# EAGLE board Mk4 Final Panel 8up 2x4 (EAGLE 9.0.1), part 16 of 23 (continued)
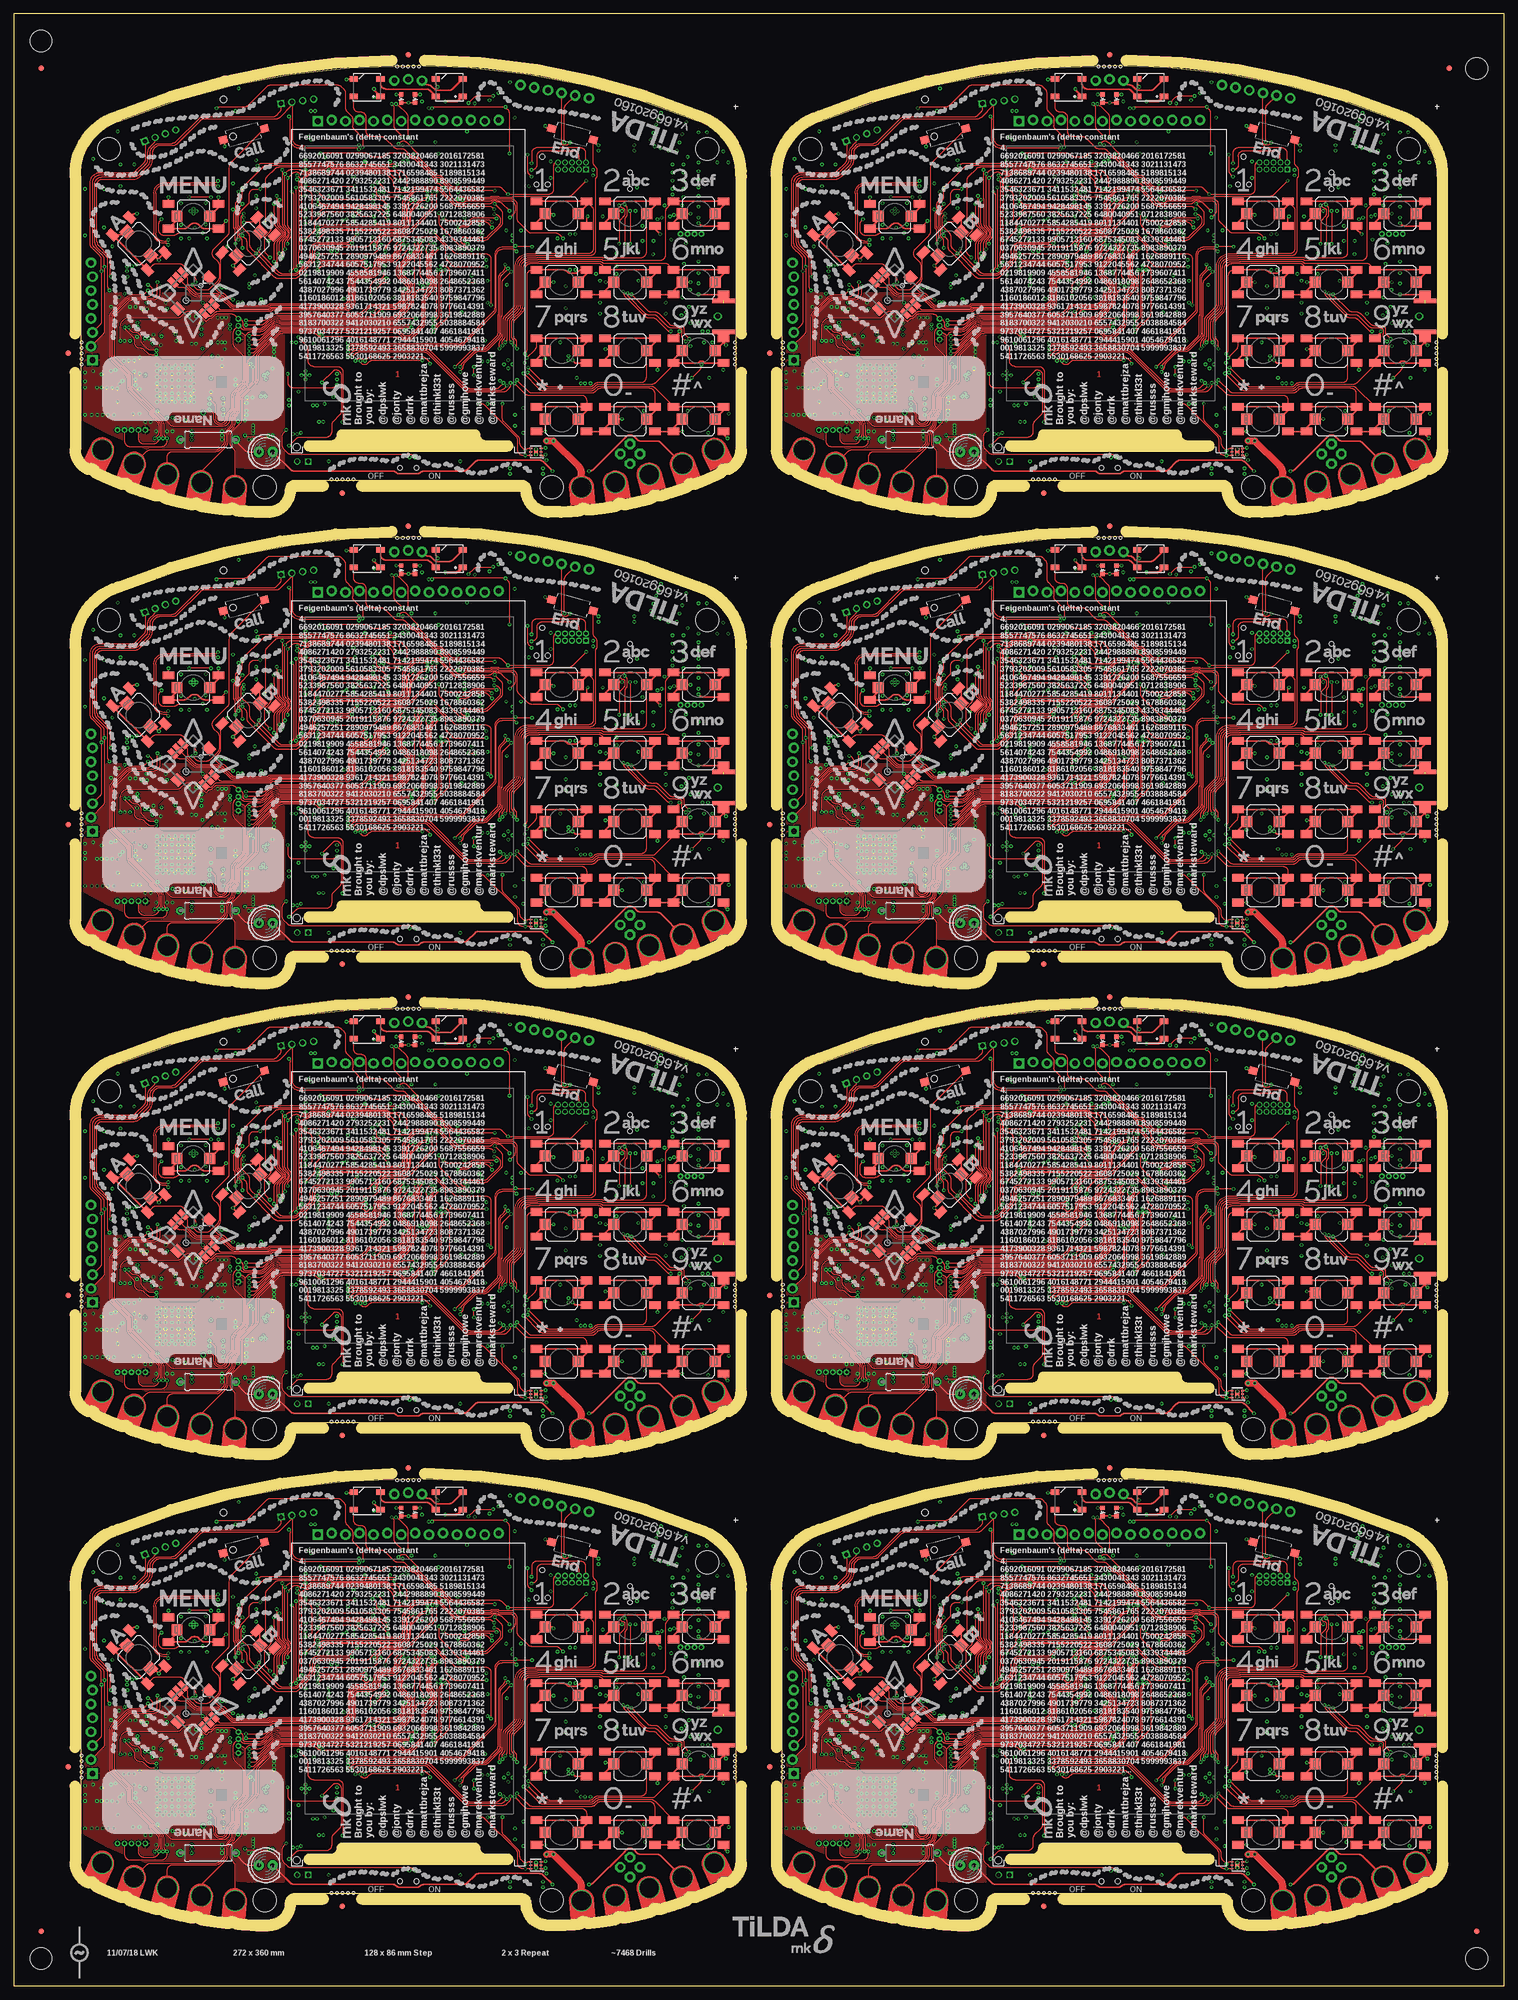
[diagram p0: board, top side]
## Tracks (layer width: path | path; a pad name or v marks a point on that pad's centre or on a via) (continued)
SDRAM_A15  (via drill 0.3)
  Top 0.15: v179.7,71.75 179.73,71.72 arc-45 180.03,71.01 180.03,58.4 179.97,58.35 179.97,56.02 v180,56 | v192.3,56 v192.29,56.01 arc45 191.59,56.3 184.21,56.3 arc45 v183.51,56.01 v183.5,56
  Bottom 0.15: v179.7,71.75 arc-45 180.06,71.9 IC19.5 | v183.5,56 183.08,56 arc45 182.94,55.94 182.9,55.9 IC19.25 181.85,55.9 181.81,55.94 arc45 181.67,56 v180,56 | IC20.31 194.2,55.85 arc-90 193.7,55.35 192.8,55.35 arc-90 192.3,55.85 v192.3,56 v192.3,55.99
SDRAM_A16  (via drill 0.3)
  Top 0.15: v179.5,70.25 179.47,70.22 179.47,55.27 v179.5,55.25 | v183.5,55.25 183.96,55.71 arc-45 184.66,56 191.14,56 arc-45 191.84,55.71 192.02,55.53 arc90 192.73,55.53 v193.2,56
  Bottom 0.15: v183.5,55.25 183,55.25 182.85,55.1 IC19.26 181.9,55.1 181.81,55.19 arc45 181.67,55.25 v179.5,55.25 | v193.2,56 193.3,56 arc90 193.8,56.5 IC20.32 | v179.5,70.25 179.52,70.25 179.57,70.2 180.61,70.2 arc-45 180.75,70.14 180.78,70.11 arc90 181.83,70.11 182.02,70.3 IC19.7
SDRAM_A17  (via drill 0.3)
  Top 0.15: v183.5,69.5 184.58,68.42 arc45 185.29,68.12 194.71,68.12 arc-45 195.42,67.83 v196.25,67 | v178.75,69.5 178.95,69.3 arc-45 179.1,68.94 179.1,55.76 arc-45 178.95,55.4 v178.55,55
  Bottom 0.15: IC20.22 197.8,65.04 arc45 197.51,65.74 v196.25,67 | v178.75,69.5 IC19.8 v183.5,69.5 | IC19.29 171.59,55.1 arc-45 171.69,55.06 arc45 171.83,55 v178.55,55
SDRAM_A18  (via drill 0.3)
  Top 0.15: v176,68.75 175.97,68.72 175.97,67.58 arc45 176.02,67.48 arc-45 176.07,67.34 176.07,63.8 arc45 176.37,63.09 177.24,62.23 arc-90 177.24,61.52 176.27,60.55 arc45 175.97,59.85 175.97,57.4 176.03,57.35 176.03,56.02 v176,56 | v196.25,66 195.54,66.71 arc45 194.84,67 191.67,67 arc-45 191.53,67.06 191.53,67.07 arc45 191.38,67.12 184.79,67.12 arc-45 184.08,67.42 v183.5,68
  Bottom 0.15: v196.25,66 197.11,65.14 arc-45 197.4,64.44 IC20.23 | v176,68.75 176.09,68.75 arc-45 176.79,68.46 176.96,68.29 arc45 177.66,68 181.42,68 arc-45 181.56,67.94 arc45 181.66,67.9 IC19.10 182.82,67.9 arc45 182.96,67.96 arc-45 183.06,68 v183.5,68 | IC19.30 171.59,55.9 arc45 171.69,55.94 arc-45 171.83,56 v176,56
SDRAM_A19  (via drill 0.3)
  Top 0.15: v175.5,67.25 175.5,65.74 175.53,65.72 175.53,63.93 arc45 175.82,63.22 176.99,62.05 arc-90 176.99,61.7 175.79,60.5 arc45 175.5,59.8 v175.5,56.75 | v196.25,65.25 195.09,66.41 arc45 194.39,66.7 191.55,66.7 arc-45 191.41,66.76 191.4,66.77 arc45 191.26,66.83 184.34,66.83 arc-45 183.63,67.12 v183.5,67.25
  Bottom 0.15: v196.25,65.25 196.71,64.79 arc-45 197,64.09 IC20.24 | v175.5,67.25 181.42,67.25 arc-45 181.56,67.19 181.59,67.16 arc45 181.73,67.1 IC19.11 182.77,67.1 arc45 182.91,67.16 182.94,67.19 arc-45 183.08,67.25 v183.5,67.25 | IC19.31 171.7,56.7 arc-45 171.82,56.75 v175.5,56.75
SDRAM_A20  (via drill 0.3)
  Top 0.15: v196.3,64.3 194.49,66.11 arc45 193.79,66.4 191.43,66.4 arc-45 191.28,66.46 191.28,66.47 arc45 191.13,66.53 184.94,66.53 arc45 184.23,66.23 v183.5,65.5 | v175,65.5 175,62.83 arc-45 174.71,62.12 174.14,61.56 arc45 173.85,60.85 173.85,58.81 arc45 174.14,58.11 v174.75,57.5
  Bottom 0.15: v183.5,65.5 IC19.13 v175,65.5 | IC19.32 v174.75,57.5 | IC20.25 196.6,59.26 196.62,59.28 196.62,63.56 arc45 196.33,64.27 v196.3,64.3
SDRAM_A21  (via drill 0.3)
  Top 0.15: v189.75,60.1 v189.74,60.09 arc-45 189.04,59.8 183.75,59.8 arc90 182.5,58.55 182.5,57.5 arc-45 182.21,56.79 179.88,54.47 arc-45 179.18,54.17 176.74,54.17 arc-45 176.03,54.47 v172.25,58.25 171.29,59.21 arc-45 171,59.91 171,61.33 arc45 170.71,62.03 169.47,63.27 arc-45 169.4,63.45 169.4,64.69 arc-45 169.55,65.05 v170,65.5
  Bottom 0.15: IC19.42 v170,65.5 | IC19.33 171.7,58.3 arc45 171.82,58.25 v172.25,58.25 | IC20.40 191.66,61.6 arc45 190.96,61.31 v189.75,60.1
SDRAM_A22  (via drill 0.3)
  Top 0.15: v169.75,59.25 169.75,60.34 arc45 169.46,61.05 169.38,61.12 arc-45 169.16,61.65 169.16,62.58 arc45 169.09,62.76 168.87,62.98 arc-45 168.8,63.16 168.8,65.24 arc-45 168.95,65.59 169.02,65.67 arc45 169.16,66.02 169.16,66.25 arc-45 169.46,66.96 v169.75,67.25 | v190.65,61.75 189.32,60.42 arc-45 188.61,60.12 183.5,60.12 arc90 182,58.62 182,57.42 arc-45 181.71,56.72 179.76,54.77 arc-45 179.05,54.48 177.2,54.48 arc-45 176.49,54.77 173.04,58.22 arc-45 172.75,58.92 v172.75,59
  Bottom 0.15: IC19.44 170.65,67.1 170.65,67.1 arc45 170.29,67.25 v169.75,67.25 | v169.75,59.25 170.29,59.25 arc-45 170.65,59.1 IC19.34 172.51,59.1 arc-45 v172.75,59 | IC20.41 191.25,62 arc45 v190.65,61.75
SDRAM_A23  (via drill 0.3)
  Top 0.15: v183.5,58.25 183.57,58.17 193.35,58.17 arc45 194.06,58.47 194.9,59.31 arc45 195.05,59.66 v195.05,59.8 | v176.5,58.25 176.5,59.95 arc-45 176.79,60.65 177.48,61.34 arc90 177.48,62.4 176.79,63.09 arc-45 176.5,63.8 v176.5,68
  Bottom 0.15: IC19.45 171.82,67.9 arc45 171.96,67.96 arc-45 172.06,68 v176.5,68 | v183.5,58.25 183,58.25 182.95,58.3 IC19.22 181.8,58.3 arc-45 181.68,58.25 v176.5,58.25 | IC20.50 193.54,65.6 arc-45 194.24,65.31 194.76,64.79 arc-45 195.05,64.09 v195.05,59.8
SDRAM_A24  (via drill 0.3)
  Top 0.15: v169,60.75 169,61.08 168.86,61.22 168.86,62.46 arc45 168.79,62.64 168.57,62.85 arc-45 168.5,63.03 168.5,65.37 arc-45 168.65,65.72 168.72,65.79 arc45 168.86,66.14 168.86,66.95 arc-45 169.16,67.66 169.46,67.96 arc45 169.75,68.66 v169.75,70.25 173.53,74.03 arc-45 174.24,74.33 184.73,74.33 184.79,74.38 arc-90 186.21,74.38 186.42,74.17 196.97,74.17 arc-45 v197.47,73.97
  Bottom 0.15: IC19.48 170.55,70.3 170.5,70.25 v169.75,70.25 | IC19.36 170.55,60.7 170.5,60.75 v169,60.75 | v197.47,73.97 197.8,73.64 IC20.75
SDRAM_A25  (via drill 0.3)
  Top 0.15: v169,69.5 169,68.41 arc-45 168.71,67.71 arc45 168.5,67.21 168.5,66.49 168.53,66.47 168.53,66.1 arc-45 168.47,65.98 168.47,65.97 168.35,65.84 arc45 168.2,65.49 168.2,62.91 arc45 168.27,62.73 168.4,62.6 arc-45 168.47,62.42 168.47,60.53 168.5,60.51 v168.5,60 | v181.25,60.75 182.68,62.18 arc45 182.97,62.89 182.97,63.71 arc-45 183.27,64.42 184.46,65.61 arc-45 185.16,65.9 189.94,65.9 arc-45 190.64,65.61 190.96,65.29 arc45 191.66,65 v193.75,65
  Bottom 0.15: IC19.47 v169,69.5 | v168.5,60 170.42,60 arc-45 170.56,59.94 170.6,59.9 IC19.35 176.49,59.9 arc45 177.19,60.19 177.46,60.46 arc-45 178.16,60.75 v181.25,60.75 | IC20.49 193.27,65.2 arc-45 v193.75,65
SDRAM_A26  (via drill 0.3)
  Top 0.15: v49,159.5 v49,159.49 48.98,159.47 48.98,154.27 49.02,154.22 49.02,149.7 arc45 49.32,148.99 49.73,148.58 arc-90 49.73,147.17 49.27,146.71 arc45 48.98,146 48.98,144.52 49.02,144.47 49.02,144.03 49,144.01 v49,143.5 | v64.3,143.5 63.99,143.19 arc-45 63.29,142.9 56.51,142.9 arc-45 55.81,143.19 v55.5,143.5
  Bottom 0.15: IC37.2 50.21,160.3 arc45 49.51,160.01 v49,159.5 | IC38.29 67,144.03 arc90 66.5,144.53 66.12,144.53 | v55.5,143.5 IC37.23 v49,143.5 | 66.12,144.53 | 66.12,144.53 65.68,144.53 arc45 65.08,144.28 v64.3,143.5
SDRAM_A27  (via drill 0.3)
  Top 0.15: v64.3,142.75 arc-45 63.94,142.6 55.86,142.6 arc-45 v55.5,142.75 | v51.75,158.5 52.11,158.14 arc-45 52.4,157.44 52.4,156.13 arc45 52.44,156.03 arc-45 52.5,155.89 v52.5,142.75
  Bottom 0.15: v51.75,158.5 arc-45 52.23,158.7 IC37.4 | IC38.30 66.6,143.97 arc90 66.35,144.22 65.68,144.22 arc45 65.33,144.08 65.21,143.96 arc45 65,143.45 arc-90 v64.3,142.75 | v55.5,142.75 55.07,142.75 arc45 54.95,142.7 IC37.24 53.8,142.7 53.75,142.75 v52.5,142.75
SDRAM_A28  (via drill 0.3)
  Top 0.15: v51.7,157.75 51.73,157.72 arc-45 52.02,157.01 52.02,144.4 51.98,144.35 51.98,142.03 v52,142 | v64.3,142 v64.29,142.01 arc45 63.59,142.3 56.21,142.3 arc45 v55.51,142.01 v55.5,142
  Bottom 0.15: v51.7,157.75 arc-45 52.06,157.9 IC37.5 | v55.5,142 55.08,142 arc45 54.94,141.94 54.9,141.9 IC37.25 53.85,141.9 53.81,141.94 arc45 53.67,142 v52,142 | IC38.31 66.2,141.85 arc-90 65.7,141.35 64.8,141.35 arc-90 64.3,141.85 v64.3,142 v64.3,141.99
SDRAM_A29  (via drill 0.3)
  Top 0.15: v51.5,156.25 51.48,156.22 51.48,141.28 v51.5,141.25 | v55.5,141.25 55.96,141.71 arc-45 56.66,142 63.14,142 arc-45 63.84,141.71 64.02,141.53 arc90 64.73,141.53 v65.2,142
  Bottom 0.15: v55.5,141.25 55,141.25 54.85,141.1 IC37.26 53.9,141.1 53.81,141.19 arc45 53.67,141.25 v51.5,141.25 | v65.2,142 65.3,142 arc90 65.8,142.5 IC38.32 | v51.5,156.25 51.52,156.25 51.57,156.2 52.61,156.2 arc-45 52.75,156.14 52.77,156.11 arc90 53.84,156.11 54.02,156.3 IC37.7
SDRAM_A30  (via drill 0.3)
  Top 0.15: v55.5,155.5 56.58,154.42 arc45 57.29,154.12 66.71,154.12 arc-45 67.42,153.83 v68.25,153 | v50.75,155.5 50.95,155.3 arc-45 51.1,154.94 51.1,141.76 arc-45 50.95,141.4 v50.55,141
  Bottom 0.15: IC38.22 69.8,151.04 arc45 69.51,151.74 v68.25,153 | v50.75,155.5 IC37.8 v55.5,155.5 | IC37.29 43.59,141.1 arc-45 43.69,141.06 arc45 43.83,141 v50.55,141
SDRAM_A31  (via drill 0.3)
  Top 0.15: v48,154.75 47.98,154.72 47.98,153.58 arc45 48.02,153.48 arc-45 48.08,153.34 48.08,149.8 arc45 48.37,149.09 49.23,148.23 arc-90 49.23,147.52 48.27,146.55 arc45 47.98,145.85 47.98,143.4 48.02,143.35 48.02,142.03 v48,142 | v68.25,152 67.54,152.71 arc45 66.84,153 63.67,153 arc-45 63.53,153.06 63.52,153.07 arc45 63.38,153.12 56.79,153.12 arc-45 56.08,153.42 v55.5,154
  Bottom 0.15: v68.25,152 69.11,151.14 arc-45 69.4,150.44 IC38.23 | v48,154.75 48.09,154.75 arc-45 48.79,154.46 48.96,154.29 arc45 49.66,154 53.42,154 arc-45 53.56,153.94 arc45 53.66,153.9 IC37.10 54.82,153.9 arc45 54.96,153.96 arc-45 55.06,154 v55.5,154 | IC37.30 43.59,141.9 arc45 43.69,141.94 arc-45 43.83,142 v48,142
SDRAM_A32  (via drill 0.3)
  Top 0.15: v47.5,153.25 47.5,151.74 47.52,151.72 47.52,149.93 arc45 47.82,149.22 48.99,148.05 arc-90 48.99,147.7 47.79,146.5 arc45 47.5,145.8 v47.5,142.75 | v68.25,151.25 67.09,152.41 arc45 66.39,152.7 63.55,152.7 arc-45 63.41,152.76 63.4,152.77 arc45 63.26,152.82 56.34,152.82 arc-45 55.63,153.12 v55.5,153.25
  Bottom 0.15: v68.25,151.25 68.71,150.79 arc-45 69,150.09 IC38.24 | v47.5,153.25 53.42,153.25 arc-45 53.56,153.19 53.59,153.16 arc45 53.73,153.1 IC37.11 54.77,153.1 arc45 54.91,153.16 54.94,153.19 arc-45 55.08,153.25 v55.5,153.25 | IC37.31 43.7,142.7 arc-45 43.82,142.75 v47.5,142.75
SDRAM_A33  (via drill 0.3)
  Top 0.15: v68.3,150.3 66.49,152.11 arc45 65.79,152.4 63.42,152.4 arc-45 63.28,152.46 63.28,152.47 arc45 63.13,152.53 56.94,152.53 arc45 56.23,152.23 v55.5,151.5 | v47,151.5 47,148.83 arc-45 46.71,148.12 46.14,147.56 arc45 45.85,146.85 45.85,144.81 arc45 46.14,144.11 v46.75,143.5
  Bottom 0.15: v55.5,151.5 IC37.13 v47,151.5 | IC37.32 v46.75,143.5 | IC38.25 68.6,145.26 68.62,145.28 68.62,149.56 arc45 68.33,150.27 v68.3,150.3
SDRAM_A34  (via drill 0.3)
  Top 0.15: v61.75,146.1 v61.74,146.09 arc-45 61.04,145.8 55.75,145.8 arc90 54.5,144.55 54.5,143.5 arc-45 54.21,142.79 51.89,140.47 arc-45 51.18,140.18 48.74,140.18 arc-45 48.03,140.47 v44.25,144.25 43.29,145.21 arc-45 43,145.91 43,147.33 arc45 42.71,148.03 41.47,149.27 arc-45 41.4,149.45 41.4,150.69 arc-45 41.55,151.05 v42,151.5
  Bottom 0.15: IC37.42 v42,151.5 | IC37.33 43.7,144.3 arc45 43.82,144.25 v44.25,144.25 | IC38.40 63.66,147.6 arc45 62.96,147.31 v61.75,146.1
SDRAM_A35  (via drill 0.3)
  Top 0.15: v41.75,145.25 41.75,146.34 arc45 41.46,147.05 41.38,147.12 arc-45 41.16,147.65 41.16,148.58 arc45 41.09,148.76 40.87,148.98 arc-45 40.8,149.16 40.8,151.24 arc-45 40.95,151.59 41.02,151.67 arc45 41.16,152.02 41.16,152.25 arc-45 41.46,152.96 v41.75,153.25 | v62.65,147.75 61.32,146.42 arc-45 60.61,146.12 55.5,146.12 arc90 54,144.62 54,143.42 arc-45 53.71,142.72 51.76,140.77 arc-45 51.05,140.47 49.2,140.47 arc-45 48.49,140.77 45.04,144.22 arc-45 44.75,144.92 v44.75,145
  Bottom 0.15: IC37.44 42.65,153.1 42.65,153.1 arc45 42.29,153.25 v41.75,153.25 | v41.75,145.25 42.29,145.25 arc-45 42.65,145.1 IC37.34 44.51,145.1 arc-45 v44.75,145 | IC38.41 63.25,148 arc45 v62.65,147.75
SDRAM_A36  (via drill 0.3)
  Top 0.15: v55.5,144.25 55.58,144.18 65.35,144.18 arc45 66.06,144.47 66.9,145.31 arc45 67.05,145.66 v67.05,145.8 | v48.5,144.25 48.5,145.95 arc-45 48.79,146.65 49.48,147.34 arc90 49.48,148.4 48.79,149.09 arc-45 48.5,149.8 v48.5,154
  Bottom 0.15: IC37.45 43.82,153.9 arc45 43.96,153.96 arc-45 44.06,154 v48.5,154 | v55.5,144.25 55,144.25 54.95,144.3 IC37.22 53.8,144.3 arc-45 53.68,144.25 v48.5,144.25 | IC38.50 65.54,151.6 arc-45 66.24,151.31 66.76,150.79 arc-45 67.05,150.09 v67.05,145.8
SDRAM_A37  (via drill 0.3)
  Top 0.15: v41,146.75 41,147.08 40.86,147.22 40.86,148.46 arc45 40.79,148.64 40.57,148.85 arc-45 40.5,149.03 40.5,151.37 arc-45 40.65,151.72 40.72,151.79 arc45 40.86,152.14 40.86,152.95 arc-45 41.16,153.66 41.46,153.96 arc45 41.75,154.66 v41.75,156.25 45.53,160.03 arc-45 46.24,160.32 56.73,160.32 56.79,160.38 arc-90 58.21,160.38 58.42,160.18 68.97,160.18 arc-45 v69.47,159.97
  Bottom 0.15: IC37.48 42.55,156.3 42.5,156.25 v41.75,156.25 | IC37.36 42.55,146.7 42.5,146.75 v41,146.75 | v69.47,159.97 69.8,159.64 IC38.75
SDRAM_A38  (via drill 0.3)
  Top 0.15: v41,155.5 41,154.41 arc-45 40.71,153.71 arc45 40.5,153.21 40.5,152.49 40.52,152.47 40.52,152.1 arc-45 40.48,151.98 40.48,151.97 40.35,151.84 arc45 40.2,151.49 40.2,148.91 arc45 40.27,148.73 40.4,148.6 arc-45 40.48,148.42 40.48,146.53 40.5,146.51 v40.5,146 | v53.25,146.75 54.68,148.18 arc45 54.98,148.89 54.98,149.71 arc-45 55.27,150.42 56.46,151.61 arc-45 57.16,151.9 61.94,151.9 arc-45 62.64,151.61 62.96,151.29 arc45 63.66,151 v65.75,151
  Bottom 0.15: IC37.47 v41,155.5 | v40.5,146 42.42,146 arc-45 42.56,145.94 42.6,145.9 IC37.35 48.49,145.9 arc45 49.19,146.19 49.46,146.46 arc-45 50.16,146.75 v53.25,146.75 | IC38.49 65.27,151.2 arc-45 v65.75,151
SDRAM_A39  (via drill 0.3)
  Top 0.15: v177,159.5 v177,159.49 176.97,159.47 176.97,154.27 177.03,154.22 177.03,149.7 arc45 177.32,148.99 177.73,148.58 arc-90 177.73,147.17 177.27,146.71 arc45 176.97,146 176.97,144.52 177.03,144.47 177.03,144.03 177,144.01 v177,143.5 | v192.3,143.5 191.99,143.19 arc-45 191.29,142.9 184.51,142.9 arc-45 183.81,143.19 v183.5,143.5
  Bottom 0.15: IC55.2 178.21,160.3 arc45 177.51,160.01 v177,159.5 | IC56.29 195,144.03 arc90 194.5,144.53 194.12,144.53 | v183.5,143.5 IC55.23 v177,143.5 | 194.12,144.53 | 194.12,144.53 193.68,144.53 arc45 193.08,144.28 v192.3,143.5
SDRAM_A40  (via drill 0.3)
  Top 0.15: v192.3,142.75 arc-45 191.94,142.6 183.86,142.6 arc-45 v183.5,142.75 | v179.75,158.5 180.11,158.14 arc-45 180.4,157.44 180.4,156.13 arc45 180.44,156.03 arc-45 180.5,155.89 v180.5,142.75
  Bottom 0.15: v179.75,158.5 arc-45 180.23,158.7 IC55.4 | IC56.30 194.6,143.97 arc90 194.35,144.22 193.68,144.22 arc45 193.33,144.08 193.21,143.96 arc45 193,143.45 arc-90 v192.3,142.75 | v183.5,142.75 183.07,142.75 arc45 182.95,142.7 IC55.24 181.8,142.7 181.75,142.75 v180.5,142.75
SDRAM_A41  (via drill 0.3)
  Top 0.15: v179.7,157.75 179.73,157.72 arc-45 180.03,157.01 180.03,144.4 179.97,144.35 179.97,142.03 v180,142 | v192.3,142 v192.29,142.01 arc45 191.59,142.3 184.21,142.3 arc45 v183.51,142.01 v183.5,142
  Bottom 0.15: v179.7,157.75 arc-45 180.06,157.9 IC55.5 | v183.5,142 183.08,142 arc45 182.94,141.94 182.9,141.9 IC55.25 181.85,141.9 181.81,141.94 arc45 181.67,142 v180,142 | IC56.31 194.2,141.85 arc-90 193.7,141.35 192.8,141.35 arc-90 192.3,141.85 v192.3,142 v192.3,141.99
SDRAM_A42  (via drill 0.3)
  Top 0.15: v179.5,156.25 179.47,156.22 179.47,141.28 v179.5,141.25 | v183.5,141.25 183.96,141.71 arc-45 184.66,142 191.14,142 arc-45 191.84,141.71 192.02,141.53 arc90 192.73,141.53 v193.2,142
  Bottom 0.15: v183.5,141.25 183,141.25 182.85,141.1 IC55.26 181.9,141.1 181.81,141.19 arc45 181.67,141.25 v179.5,141.25 | v193.2,142 193.3,142 arc90 193.8,142.5 IC56.32 | v179.5,156.25 179.52,156.25 179.57,156.2 180.61,156.2 arc-45 180.75,156.14 180.78,156.11 arc90 181.83,156.11 182.02,156.3 IC55.7
SDRAM_A43  (via drill 0.3)
  Top 0.15: v183.5,155.5 184.58,154.42 arc45 185.29,154.12 194.71,154.12 arc-45 195.42,153.83 v196.25,153 | v178.75,155.5 178.95,155.3 arc-45 179.1,154.94 179.1,141.76 arc-45 178.95,141.4 v178.55,141
  Bottom 0.15: IC56.22 197.8,151.04 arc45 197.51,151.74 v196.25,153 | v178.75,155.5 IC55.8 v183.5,155.5 | IC55.29 171.59,141.1 arc-45 171.69,141.06 arc45 171.83,141 v178.55,141
SDRAM_A44  (via drill 0.3)
  Top 0.15: v176,154.75 175.97,154.72 175.97,153.58 arc45 176.02,153.48 arc-45 176.07,153.34 176.07,149.8 arc45 176.37,149.09 177.24,148.23 arc-90 177.24,147.52 176.27,146.55 arc45 175.97,145.85 175.97,143.4 176.03,143.35 176.03,142.03 v176,142 | v196.25,152 195.54,152.71 arc45 194.84,153 191.67,153 arc-45 191.53,153.06 191.53,153.07 arc45 191.38,153.12 184.79,153.12 arc-45 184.08,153.42 v183.5,154
  Bottom 0.15: v196.25,152 197.11,151.14 arc-45 197.4,150.44 IC56.23 | v176,154.75 176.09,154.75 arc-45 176.79,154.46 176.96,154.29 arc45 177.66,154 181.42,154 arc-45 181.56,153.94 arc45 181.66,153.9 IC55.10 182.82,153.9 arc45 182.96,153.96 arc-45 183.06,154 v183.5,154 | IC55.30 171.59,141.9 arc45 171.69,141.94 arc-45 171.83,142 v176,142
SDRAM_A45  (via drill 0.3)
  Top 0.15: v175.5,153.25 175.5,151.74 175.53,151.72 175.53,149.93 arc45 175.82,149.22 176.99,148.05 arc-90 176.99,147.7 175.79,146.5 arc45 175.5,145.8 v175.5,142.75 | v196.25,151.25 195.09,152.41 arc45 194.39,152.7 191.55,152.7 arc-45 191.41,152.76 191.4,152.77 arc45 191.26,152.82 184.34,152.82 arc-45 183.63,153.12 v183.5,153.25
  Bottom 0.15: v196.25,151.25 196.71,150.79 arc-45 197,150.09 IC56.24 | v175.5,153.25 181.42,153.25 arc-45 181.56,153.19 181.59,153.16 arc45 181.73,153.1 IC55.11 182.77,153.1 arc45 182.91,153.16 182.94,153.19 arc-45 183.08,153.25 v183.5,153.25 | IC55.31 171.7,142.7 arc-45 171.82,142.75 v175.5,142.75
SDRAM_A46  (via drill 0.3)
  Top 0.15: v196.3,150.3 194.49,152.11 arc45 193.79,152.4 191.43,152.4 arc-45 191.28,152.46 191.28,152.47 arc45 191.13,152.53 184.94,152.53 arc45 184.23,152.23 v183.5,151.5 | v175,151.5 175,148.83 arc-45 174.71,148.12 174.14,147.56 arc45 173.85,146.85 173.85,144.81 arc45 174.14,144.11 v174.75,143.5
  Bottom 0.15: v183.5,151.5 IC55.13 v175,151.5 | IC55.32 v174.75,143.5 | IC56.25 196.6,145.26 196.62,145.28 196.62,149.56 arc45 196.33,150.27 v196.3,150.3
SDRAM_A47  (via drill 0.3)
  Top 0.15: v189.75,146.1 v189.74,146.09 arc-45 189.04,145.8 183.75,145.8 arc90 182.5,144.55 182.5,143.5 arc-45 182.21,142.79 179.88,140.47 arc-45 179.18,140.18 176.74,140.18 arc-45 176.03,140.47 v172.25,144.25 171.29,145.21 arc-45 171,145.91 171,147.33 arc45 170.71,148.03 169.47,149.27 arc-45 169.4,149.45 169.4,150.69 arc-45 169.55,151.05 v170,151.5
  Bottom 0.15: IC55.42 v170,151.5 | IC55.33 171.7,144.3 arc45 171.82,144.25 v172.25,144.25 | IC56.40 191.66,147.6 arc45 190.96,147.31 v189.75,146.1
SDRAM_A48  (via drill 0.3)
  Top 0.15: v169.75,145.25 169.75,146.34 arc45 169.46,147.05 169.38,147.12 arc-45 169.16,147.65 169.16,148.58 arc45 169.09,148.76 168.87,148.98 arc-45 168.8,149.16 168.8,151.24 arc-45 168.95,151.59 169.02,151.67 arc45 169.16,152.02 169.16,152.25 arc-45 169.46,152.96 v169.75,153.25 | v190.65,147.75 189.32,146.42 arc-45 188.61,146.12 183.5,146.12 arc90 182,144.62 182,143.42 arc-45 181.71,142.72 179.76,140.77 arc-45 179.05,140.47 177.2,140.47 arc-45 176.49,140.77 173.04,144.22 arc-45 172.75,144.92 v172.75,145
  Bottom 0.15: IC55.44 170.65,153.1 170.65,153.1 arc45 170.29,153.25 v169.75,153.25 | v169.75,145.25 170.29,145.25 arc-45 170.65,145.1 IC55.34 172.51,145.1 arc-45 v172.75,145 | IC56.41 191.25,148 arc45 v190.65,147.75
SDRAM_A49  (via drill 0.3)
  Top 0.15: v183.5,144.25 183.57,144.18 193.35,144.18 arc45 194.06,144.47 194.9,145.31 arc45 195.05,145.66 v195.05,145.8 | v176.5,144.25 176.5,145.95 arc-45 176.79,146.65 177.48,147.34 arc90 177.48,148.4 176.79,149.09 arc-45 176.5,149.8 v176.5,154
  Bottom 0.15: IC55.45 171.82,153.9 arc45 171.96,153.96 arc-45 172.06,154 v176.5,154 | v183.5,144.25 183,144.25 182.95,144.3 IC55.22 181.8,144.3 arc-45 181.68,144.25 v176.5,144.25 | IC56.50 193.54,151.6 arc-45 194.24,151.31 194.76,150.79 arc-45 195.05,150.09 v195.05,145.8
SDRAM_A50  (via drill 0.3)
  Top 0.15: v169,146.75 169,147.08 168.86,147.22 168.86,148.46 arc45 168.79,148.64 168.57,148.85 arc-45 168.5,149.03 168.5,151.37 arc-45 168.65,151.72 168.72,151.79 arc45 168.86,152.14 168.86,152.95 arc-45 169.16,153.66 169.46,153.96 arc45 169.75,154.66 v169.75,156.25 173.53,160.03 arc-45 174.24,160.32 184.73,160.32 184.79,160.38 arc-90 186.21,160.38 186.42,160.18 196.97,160.18 arc-45 v197.47,159.97
  Bottom 0.15: IC55.48 170.55,156.3 170.5,156.25 v169.75,156.25 | IC55.36 170.55,146.7 170.5,146.75 v169,146.75 | v197.47,159.97 197.8,159.64 IC56.75
SDRAM_A51  (via drill 0.3)
  Top 0.15: v169,155.5 169,154.41 arc-45 168.71,153.71 arc45 168.5,153.21 168.5,152.49 168.53,152.47 168.53,152.1 arc-45 168.47,151.98 168.47,151.97 168.35,151.84 arc45 168.2,151.49 168.2,148.91 arc45 168.27,148.73 168.4,148.6 arc-45 168.47,148.42 168.47,146.53 168.5,146.51 v168.5,146 | v181.25,146.75 182.68,148.18 arc45 182.97,148.89 182.97,149.71 arc-45 183.27,150.42 184.46,151.61 arc-45 185.16,151.9 189.94,151.9 arc-45 190.64,151.61 190.96,151.29 arc45 191.66,151 v193.75,151
  Bottom 0.15: IC55.47 v169,155.5 | v168.5,146 170.42,146 arc-45 170.56,145.94 170.6,145.9 IC55.35 176.49,145.9 arc45 177.19,146.19 177.46,146.46 arc-45 178.16,146.75 v181.25,146.75 | IC56.49 193.27,151.2 arc-45 v193.75,151
SDRAM_A52  (via drill 0.3)
  Top 0.15: v49,245.5 v49,245.49 48.98,245.47 48.98,240.27 49.02,240.22 49.02,235.7 arc45 49.32,234.99 49.73,234.58 arc-90 49.73,233.17 49.27,232.71 arc45 48.98,232 48.98,230.52 49.02,230.47 49.02,230.03 49,230.01 v49,229.5 | v64.3,229.5 63.99,229.19 arc-45 63.29,228.9 56.51,228.9 arc-45 55.81,229.19 v55.5,229.5
  Bottom 0.15: IC73.2 50.21,246.3 arc45 49.51,246.01 v49,245.5 | IC74.29 67,230.03 arc90 66.5,230.53 66.12,230.53 | v55.5,229.5 IC73.23 v49,229.5 | 66.12,230.53 | 66.12,230.53 65.68,230.53 arc45 65.08,230.28 v64.3,229.5
SDRAM_A53  (via drill 0.3)
  Top 0.15: v64.3,228.75 arc-45 63.94,228.6 55.86,228.6 arc-45 v55.5,228.75 | v51.75,244.5 52.11,244.14 arc-45 52.4,243.44 52.4,242.13 arc45 52.44,242.03 arc-45 52.5,241.89 v52.5,228.75
  Bottom 0.15: v51.75,244.5 arc-45 52.23,244.7 IC73.4 | IC74.30 66.6,229.97 arc90 66.35,230.22 65.68,230.22 arc45 65.33,230.08 65.21,229.96 arc45 65,229.45 arc-90 v64.3,228.75 | v55.5,228.75 55.07,228.75 arc45 54.95,228.7 IC73.24 53.8,228.7 53.75,228.75 v52.5,228.75
SDRAM_A54  (via drill 0.3)
  Top 0.15: v51.7,243.75 51.73,243.72 arc-45 52.02,243.01 52.02,230.4 51.98,230.35 51.98,228.03 v52,228 | v64.3,228 v64.29,228.01 arc45 63.59,228.3 56.21,228.3 arc45 v55.51,228.01 v55.5,228
  Bottom 0.15: v51.7,243.75 arc-45 52.06,243.9 IC73.5 | v55.5,228 55.08,228 arc45 54.94,227.94 54.9,227.9 IC73.25 53.85,227.9 53.81,227.94 arc45 53.67,228 v52,228 | IC74.31 66.2,227.85 arc-90 65.7,227.35 64.8,227.35 arc-90 64.3,227.85 v64.3,228 v64.3,227.99
SDRAM_A55  (via drill 0.3)
  Top 0.15: v51.5,242.25 51.48,242.22 51.48,227.28 v51.5,227.25 | v55.5,227.25 55.96,227.71 arc-45 56.66,228 63.14,228 arc-45 63.84,227.71 64.02,227.53 arc90 64.73,227.53 v65.2,228
  Bottom 0.15: v55.5,227.25 55,227.25 54.85,227.1 IC73.26 53.9,227.1 53.81,227.19 arc45 53.67,227.25 v51.5,227.25 | v65.2,228 65.3,228 arc90 65.8,228.5 IC74.32 | v51.5,242.25 51.52,242.25 51.57,242.2 52.61,242.2 arc-45 52.75,242.14 52.77,242.11 arc90 53.84,242.11 54.02,242.3 IC73.7
SDRAM_A56  (via drill 0.3)
  Top 0.15: v55.5,241.5 56.58,240.42 arc45 57.29,240.12 66.71,240.12 arc-45 67.42,239.83 v68.25,239 | v50.75,241.5 50.95,241.3 arc-45 51.1,240.94 51.1,227.76 arc-45 50.95,227.4 v50.55,227
  Bottom 0.15: IC74.22 69.8,237.04 arc45 69.51,237.74 v68.25,239 | v50.75,241.5 IC73.8 v55.5,241.5 | IC73.29 43.59,227.1 arc-45 43.69,227.06 arc45 43.83,227 v50.55,227
SDRAM_A57  (via drill 0.3)
  Top 0.15: v48,240.75 47.98,240.72 47.98,239.58 arc45 48.02,239.48 arc-45 48.08,239.34 48.08,235.8 arc45 48.37,235.09 49.23,234.23 arc-90 49.23,233.52 48.27,232.55 arc45 47.98,231.85 47.98,229.4 48.02,229.35 48.02,228.03 v48,228 | v68.25,238 67.54,238.71 arc45 66.84,239 63.67,239 arc-45 63.53,239.06 63.52,239.07 arc45 63.38,239.12 56.79,239.12 arc-45 56.08,239.42 v55.5,240
  Bottom 0.15: v68.25,238 69.11,237.14 arc-45 69.4,236.44 IC74.23 | v48,240.75 48.09,240.75 arc-45 48.79,240.46 48.96,240.29 arc45 49.66,240 53.42,240 arc-45 53.56,239.94 arc45 53.66,239.9 IC73.10 54.82,239.9 arc45 54.96,239.96 arc-45 55.06,240 v55.5,240 | IC73.30 43.59,227.9 arc45 43.69,227.94 arc-45 43.83,228 v48,228
SDRAM_A58  (via drill 0.3)
  Top 0.15: v47.5,239.25 47.5,237.74 47.52,237.72 47.52,235.93 arc45 47.82,235.22 48.99,234.05 arc-90 48.99,233.7 47.79,232.5 arc45 47.5,231.8 v47.5,228.75 | v68.25,237.25 67.09,238.41 arc45 66.39,238.7 63.55,238.7 arc-45 63.41,238.76 63.4,238.77 arc45 63.26,238.82 56.34,238.82 arc-45 55.63,239.12 v55.5,239.25
  Bottom 0.15: v68.25,237.25 68.71,236.79 arc-45 69,236.09 IC74.24 | v47.5,239.25 53.42,239.25 arc-45 53.56,239.19 53.59,239.16 arc45 53.73,239.1 IC73.11 54.77,239.1 arc45 54.91,239.16 54.94,239.19 arc-45 55.08,239.25 v55.5,239.25 | IC73.31 43.7,228.7 arc-45 43.82,228.75 v47.5,228.75
SDRAM_A59  (via drill 0.3)